# Altium PCB PCP_ANT.PCBdoc
Units mm, origin at the board's own origin, x right, y up, seen from the top; angles counter-clockwise.
Board outline 100 x 140 mm, 2 copper layers (TopLayer, BottomLayer); 72 components, 67 nets, 236 pads, 46 vias.
Unrouted connection lines stored in the file: 5.
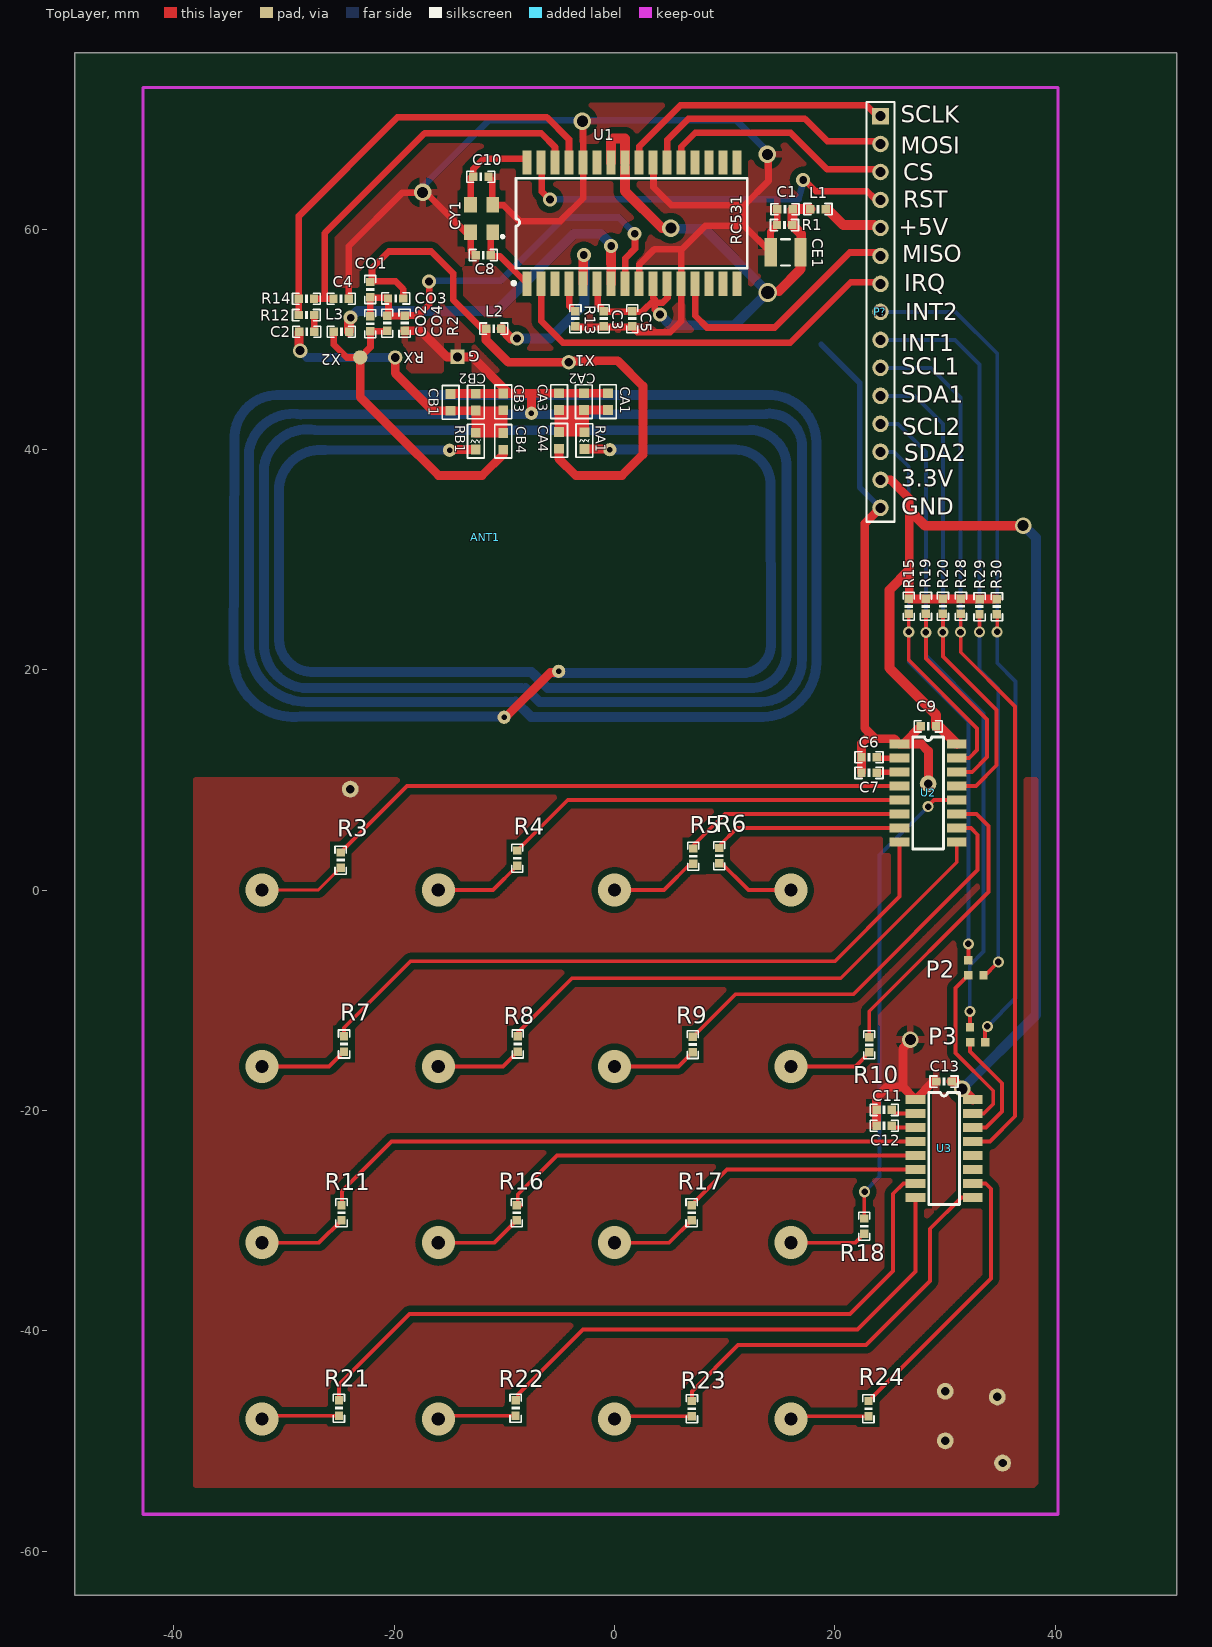
[diagram p0: TopLayer view]
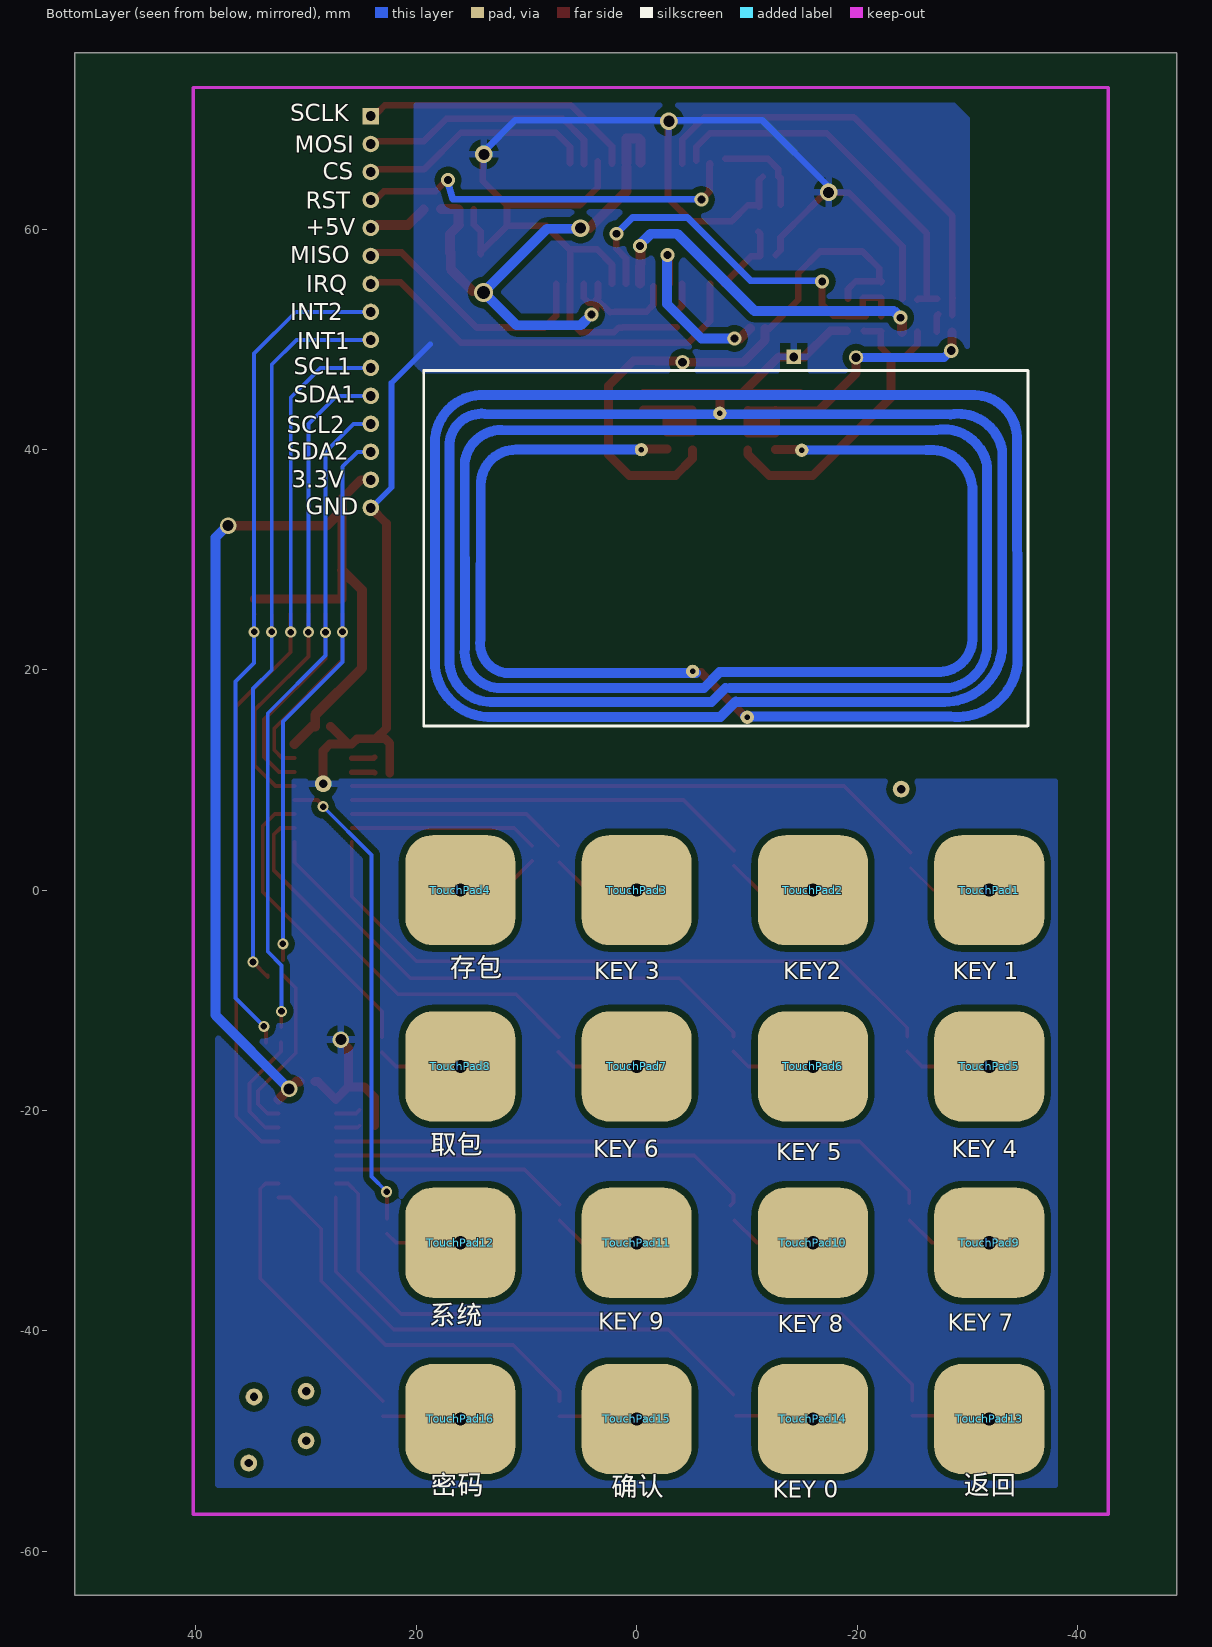
[diagram p1: BottomLayer view, seen from below]

## Layer stack, top to bottom
TopSolder: solder mask 0.0102, Solder Resist, Dk 3.5
TopLayer: signal copper 0.0356
Dielectric1: core 0.32, FR-4, Dk 4.8
BottomLayer: signal copper 0.0356
BottomSolder: solder mask 0.0102, Solder Resist, Dk 3.5

## Board outline
-49,-64 51,-64 51,76 -49,76

## Design rules (kind name [scope] priority, off if disabled: settings)
Clearance Clearance_2 [All vs InNet('DGND')] p1: gap=0.6 ignorepadtopadclearanceinfootprint=FALSE except(0: Arc-Hole Track-Hole SMDPad-Hole THPad-Hole Via-Hole Fill-Hole Poly-Hole Region-Hole Text-Hole)
Clearance Clearance_1 [All vs InNet('GND')] p2: gap=0.6 ignorepadtopadclearanceinfootprint=FALSE except(0: Arc-Hole Track-Hole SMDPad-Hole THPad-Hole Via-Hole Fill-Hole Poly-Hole Region-Hole Text-Hole)
Clearance [All] p3: gap=0.25 ignorepadtopadclearanceinfootprint=FALSE except(0: Arc-Hole Track-Hole SMDPad-Hole THPad-Hole Via-Hole Fill-Hole Poly-Hole Region-Hole Text-Hole)
FabricationTestPointUsage TestPointUsage [All] p1: valid=0 allowmultiple=FALSE
FabricationTestpoint Testpoint [All] p1: side=3 testpointundercomponent=TRUE minsize=1.016 maxsize=2.54 preferedsize=1.524 minholesize=0.508 maxholesize=1.016 preferedholesize=0.813 testpointgrid=0.025 allowsidetop=TRUE allowsidebottom=TRUE usegrid=TRUE gridtolerance=0
PolygonConnect [All] p1: connectstyle=Relief reliefconductorwidth=0.6 reliefentries=4 polygonreliefangle="90 Angle" airgapwidth=0.254
RoutingVias [All] p1: holewidth=0.711 width=1.27 viastyle="Through Hole" minholewidth=0.711 minwidth=1.27 maxholewidth=0.711 maxwidth=1.27
SilkToSolderMaskClearance SilkscreenOverComponentPads [IsPad] p1: minsilkscreentomaskgap=0.254 clearancetoexposedcopper=TRUE
SolderMaskExpansion [All] p1: expansion=0.102
Width [All] p1: maxlimit=1 minlimit=0.15 preferedwidth=0.254
27 further rules are at their usual default settings.

## Components (designator, comment, footprint, x,y, rotation, side; value= is the part's Value field where it differs from the comment)
ANT1 "RC531_ANT" RC531_ANT -7.547,47.785 r180 top
C1 "103" 0603P 15.47,61.788 r180 top
C2 "68nF" 0603P -27.948,50.673 r0 top
C3 "102" 0603P -0.991,51.867 r270 top
C4 "68nF" 0603P -24.824,53.671 r0 top
C5 "100P" 0603P 1.6,51.867 r270 top
C6 "4.7nF" 0603P 23.089,12.065 r0 top
C7 "5pF" 0603P 23.089,10.643 r0 top
C8 "15pF" 0603P -11.921,57.633 r180 top
C9 "100nF" 0603P 28.473,14.859 r0 top
C10 "15pF" 0603P -12.149,64.745 r0 top
C11 "4.7nF" 0603P 24.46,-19.939 r0 top
C12 "5pF" 0603P 24.46,-21.387 r0 top
C13 "100nF" 0603P 29.888,-17.373 r0 top
CE1 "100uF/6V" C1210 15.521,57.877 r180 top
CO1 "136P" 0603p -22.182,54.509 r270 top
CO2 "136P" 0603p -22.182,51.41 r270 top
CO3 "10P" 0603p -19.871,53.696 r180 top
CO4 "10P" 0603p -20.633,51.461 r270 top
CY1 "13.56MHZ" SMD4_32X25 -12.073,60.96 r180 top
L1 "10uH" 0603p 18.462,61.806 r180 top
L2 "1uH" 0603p -10.976,50.96 r0 top
L3 "1uH" 0603p -24.799,50.673 r0 top
P2 "Header 3" 2-1 32.461,-7.722 r180 top
P3 "Header 3" 2-1 32.614,-13.818 r180 top
P? "Header 15" HDR1X15 24.13,70.256 r270 top
R1 "10M" 0603p 15.419,60.366 r0 top
R2 "0" 0603P -19.058,51.461 r270 top
R3 "1k" 0603p -24.867,2.718 r90 top
R4 "1k" 0603p -8.839,2.896 r90 top
R5 "1k" 0603p 7.137,3.073 r90 top
R6 "1k" 0603p 9.5,3.124 r90 top
R7 "1k" 0603p -24.562,-13.97 r90 top
R8 "1k" 0603p -8.788,-13.97 r90 top
R9 "1k" 0603p 7.087,-14.021 r90 top
R10 "1k" 0603p 23.114,-14.046 r90 top
R11 "1k" 0603p -24.79,-29.286 r90 top
R12 "820" 0603p -27.974,52.197 r0 top
R13 "0" 0603p -3.564,51.867 r270 top
R14 "1K" 0603p -27.974,53.671 r180 top
R15 "10K" 0603p 26.695,25.756 r90 top
R16 "1k" 0603p -8.89,-29.286 r90 top
R17 "1k" 0603p 6.985,-29.286 r90 top
R18 "1k" 0603p 22.657,-30.505 r90 top
R19 "10K" 0603p 28.245,25.756 r90 top
R20 "10K" 0603p 29.794,25.756 r90 top
R21 "1k" 0603p -25.019,-47.015 r90 top
R22 "1k" 0603p -8.992,-47.015 r90 top
R23 "1k" 0603p 7.01,-47.066 r90 top
R24 "1k" 0603p 23.038,-47.066 r90 top
R28 "10K" 0603p 31.42,25.756 r90 top
R29 "Res2" 0603P 33.122,25.73 r270 top
R30 "Res2" 0603P 34.696,25.73 r270 top
TouchPad1 "KEY 1" TOUCHKEY -32,0 r270 top
TouchPad2 "KEY2" TOUCHKEY -16,0 r270 top
TouchPad3 "KEY 3" TOUCHKEY 0,0 r90 top
TouchPad4 "存包" TOUCHKEY 16,0 r270 top
TouchPad5 "KEY 4" TOUCHKEY -32,-16 r270 top
TouchPad6 "KEY 5" TOUCHKEY -16,-16 r270 top
TouchPad7 "KEY 6" TOUCHKEY 0,-16 r270 top
TouchPad8 "取包" TOUCHKEY 16,-16 r270 top
TouchPad9 "KEY 7" TOUCHKEY -32,-32 r90 top
TouchPad10 "KEY 8" TOUCHKEY -16,-32 r270 top
TouchPad11 "KEY 9" TOUCHKEY 0,-32 r270 top
TouchPad12 "系统" TOUCHKEY 16,-32 r270 top
TouchPad13 "返回" TOUCHKEY -32,-48 r270 top
TouchPad14 "KEY 0" TOUCHKEY -16,-48 r270 top
TouchPad15 "确认" TOUCHKEY 0,-48 r270 top
TouchPad16 "密码" TOUCHKEY 16,-48 r270 top
U1 "MFRC531" SO32 -7.954,60.536 r90 top
U2 "XW09A" SO-G16/G3.4 25.857,13.259 r0 top
U3 "XW09A" SO-G16/G3.4 27.305,-18.999 r0 top

## Footprints (in the part's own frame and the unit in brackets; to place one, negate y for a bottom-side part, rotate by r counter-clockwise, add the part's x,y. Pads: shape width x height; smd on the part's side, far side on the other; paste and mask are expansions set on the pad)
2-1 [mil]
  rect 30x30 smd: 1(-40,0) 2(13.78,0) 3(14,-54)
0603P [mil]
  rect 30x30 smd: 1(-27,0) 2(27.5,-0.06)
  silkscreen extent -50,-20 50,20
0603p [mil]
  rect 30x30 smd: 1(-27,0) 2(27.5,-0.06)
  silkscreen extent -50,-20 50,20
C1210 [mm] "Chip Capacitor, Body 3.2x2.5mm, IPC High Density"
  rect 1.1x2.6 smd: 1(-1.35,0) 2(1.35,0)
  silkscreen extent -0.4,-1.2 0.4,1.2, body extent -1.7,-1.35 1.7,1.35, height 1.3
HDR1X15 [mm] "Connector; Header; 15 Position"
  rect 1.5x1.5 hole 0.9: 1(0,0)
  round 1.5 hole 0.9: 2(2.54,0) 3(5.08,0) 4(7.62,0) 5(10.16,0) 6(12.7,0) 7(15.24,0) 8(17.78,0) 9(20.32,0) 10(22.86,0) 11(25.4,0) 12(27.94,0) 13(30.48,0) 14(33.02,0) 15(35.56,0)
  silkscreen extent -1.27,-1.27 36.83,1.27
RC531_ANT [mil]
  rect 35x35 smd: 1(-273.5,106.07) 1(-189.16,245.07) 1(-187.5,106.07) 1(-98.5,244.07) 1(-98.5,106.07) 1(100.86,247.49) 1(100.86,106.49) 1(198.86,246.98) 1(198.86,107.49) 1(288.86,108.49) 2(-273.5,166.07) 2(-189.16,305.07) 2(-187.5,166.07) 2(-98.5,304.07) 2(-98.5,166.07) 2(100.86,307.49) 2(100.86,166.49) 2(198.86,167.49) 2(198.86,306.98) 2(288.86,168.49)
  round 47.24 hole 19.68: 3(-280.14,307.49) 3(292.86,309.49) 4(-97.14,1099.54) 5(97.86,1263.54) 6(0,177.49)
  round 51.18 hole 31.5: 10(-133.24,-5) 13(487,-22)
  rect 51.18x51.18 hole 31.5: 11(264,-24)
  round 51.18 smd: 12(612,-22)
  TopLayer region: 109.83,177.49 198.83,177.49 198.83,238.49 109.83,238.49
  TopLayer region: -178.15,166.08 -109.15,166.08 -109.15,244.08 -178.15,244.08
  TopLayer lines w31.5: 612,-22 612,119.76 471.76,260 331.76,400 176.76,400 100,323.24 100,308.35 ; 487,-22 487,34.76 353.27,168.49 341.86,168.49 288.86,168.49 102.86,168.49 100.86,166.49 100.86,247.49 198.35,247.49 ; 290.35,306.98 198.86,306.98 ; 288.86,108.49 286.86,106.49 100.86,106.49 0.86,106.49 0.44,106.07 ; 264,-24 211,-24 80.51,106.49 15,106.49 ; 198.86,246.98 198.86,167.49 ; 89.6,1261.03 -67.4,1104.03 -84.14,1104.03 ; 0.44,160.68 0.44,106.07 ; 0,177.49 0,109 ; 0,161.13 -0.14,160.98 ; 0,106.51 0.44,106.07 ; -98.14,307.49 -98.14,339.9 -158.24,400 -323.24,400 -398.24,325 -398.24,80 -308.24,-10 -143.24,-10 ; -187.5,166.07 -189.16,167.73 -189.16,245.07 -188.16,244.07 -98.5,244.07 -98.5,166.07 -273.5,166.07 ; -189.16,305.07 -277.72,305.07 ; -273.5,106.07 0.44,106.07
  BottomLayer lines w10: 293.36,308.98 292.86,309.49
  BottomLayer lines w31.5: 738.28,308.98 293.36,308.98
  BottomLayer lines w35.43: 738.28,308.98 ccw(c754.28,456.98) 902.28,440.98 902.28,977.54 ccw(c783.28,982.54) 788.28,1101.54 71.86,1101.54 -0.51,1101.54 ; 89.6,1261.03 825.02,1261.03 cw(c850.02,1047.03) 1064.02,1072.03 1061.42,271.42 cw(c906.14,267.33) 910.23,112.05 -845.24,112.05 cw(c-848.09,281.9) -1017.94,279.05 -1018.24,1056.47 cw(c-819.96,1064.75) -828.24,1263.03 -30.14,1263.03 -7.14,1263.03 ; 58.86,1208.54 788.29,1208.54 cw(c801.78,1001.04) 1009.28,1014.53 1009.28,310.79 cw(c852.2,338.7) 824.28,181.62 -839.79,179.35 cw(c-850.76,294.53) -965.94,283.56 -966.24,1058.47 cw(c-817.46,1060.25) -819.24,1209.03 -29.14,1209.03 20.86,1159.03 ; 56.86,1207.03 1.86,1262.03 ; 35.86,1159.03 59.86,1159.03 790.28,1159.03 cw(c800.54,1004.28) 955.28,1014.53 955.28,366.16 cw(c800.31,392.01) 774.46,237.04 -768.52,238.02 cw(c-781.25,368.28) -911.51,355.56 -911.24,1020.1 cw(c-783.23,1031.02) -794.14,1159.03 -57.14,1159.03 ; -6.14,1108.03 -55.14,1157.03 ; -85.14,1105.03 -767.14,1105.03 ccw(c-752.16,1002.01) -855.18,987.03 -854.34,432.87 ccw(c-729.01,432.82) -729.06,307.49 -280.14,307.49
  silkscreen extent -304,76 319,337
SMD4_32X25 [mm]
  rect 1.15x1.4 smd: 1(-1,1.25) 2(-1,-1.25) 3(1,-1.25) 4(1,1.25)
  silkscreen extent -2.03,1.53 -1.78,1.78
SO32 [mm]
  rect 2.2x0.8 smd: 1(-5.5,0) 2(-5.5,-1.27) 3(-5.5,-2.54) 4(-5.5,-3.81) 5(-5.5,-5.08) 6(-5.5,-6.35) 7(-5.5,-7.62) 8(-5.5,-8.89) 9(-5.5,-10.16) 10(-5.5,-11.43) 11(-5.5,-12.7) 12(-5.5,-13.97) 13(-5.5,-15.24) 14(-5.5,-16.51) 15(-5.5,-17.78) 16(-5.5,-19.05) 17(5.5,-19.05) 18(5.5,-17.78) 19(5.5,-16.51) 20(5.5,-15.24) 21(5.5,-13.97) 22(5.5,-12.7) 23(5.5,-11.43) 24(5.5,-10.16) 25(5.5,-8.89) 26(5.5,-7.62) 27(5.5,-6.35) 28(5.5,-5.08) 29(5.5,-3.81) 30(5.5,-2.54) 31(5.5,-1.27) 32(5.5,0)
  silkscreen extent -5.6,-20 4.08,1.35
SO-G16/G3.4 [mm]
  rect 1.8x0.8 smd: 1(0,0) 2(0,-1.27) 3(0,-2.54) 4(0,-3.81) 5(0,-5.08) 6(0,-6.35) 7(0,-7.62) 8(0,-8.89) 9(5.2,-8.89) 10(5.2,-7.62) 11(5.2,-6.35) 12(5.2,-5.08) 13(5.2,-3.81) 14(5.2,-2.54) 15(5.2,-1.27) 16(5.2,0)
  silkscreen extent 1.2,-9.53 4,0.64
TOUCHKEY [mm]
  rrect50% 10x10 smd far side: 1(0,0)

## Part data
C1 C2 C3 C4 C5 CO1 CO2 CO3 CO4: library part C
C6 C7 C9 C11 C12 C13: library part Cap, "Capacitor"
C8 C10: library part CAP, "Capacitor"
CE1: library part ELECTRO1, "Electrolytic Capacitor"
CY1: library part CRYSTAL1, "Crystal"
L1 L2 L3: library part L
P2 P3: "Header, 3-Pin"
P?: "Header, 15-Pin"
R1 R2 R12 R13 R14: library part R7
R3 R4 R5 R6 R7 R8 R9 R10 R11 R15 R16 R17 R18 R19 R20 R21 R22 R23 R24 R28: library part Res2, "Resistor"
R29 R30: "Resistor"
TouchPad1 TouchPad2 TouchPad3 TouchPad4 TouchPad5 TouchPad6 TouchPad7 TouchPad8 TouchPad9 TouchPad10 TouchPad11 TouchPad12 TouchPad13 TouchPad14 TouchPad15 TouchPad16: library part TouchPad
U1: library part MFRC500

## Free pads (board coordinates)
  round 1.524 hole 0.762: 0(34.727,-46) 1(30,-49.987) 2(35.21,-52) 3(30,-45.491) 4(-24,9.17) 5(28.453,9.652)

## Via types
v1: diameter 3, hole 1.2, TopLayer to BottomLayer, 16 vias
v2: diameter 1, hole 0.6, TopLayer to BottomLayer, 12 vias
v3: diameter 1.27, hole 0.711, TopLayer to BottomLayer, 9 vias
v4: diameter 1.6, hole 1, TopLayer to BottomLayer, 4 vias
v5: diameter 1.5, hole 1, TopLayer to BottomLayer, 3 vias
v6: diameter 1.7, hole 1.2, TopLayer to BottomLayer, 1 vias
v7: diameter 1.3, hole 0.8, TopLayer to BottomLayer, 1 vias

## Nets (pads, with @x,y where several pads share a name; then routed paths per layer and width w, separated by ;. In a path a pad name is that pad's centre, name@x,y a point inside that pad or via, vN(x,y) a via of type N, cw(c..) or ccw(c..) an arc to the next point about the centre after c; other vN are vias at no path point)
3.3V: C9.2 C13.2 P?.14 R15.2 R19.2 R20.2 R28.2 R29.1 R30.1 U2.16 U3.16 | length 107.6
  TopLayer w0.8: P?.14 25.044,37.236 26.735,35.546 26.735,34.493 26.735,29.032 26.735,26.416 R29.1 R30.1
  TopLayer w0.9: 26.735,29.032 24.943,27.24 24.943,20.142 29.172,15.913 C9.2 29.459,14.857 U2.16 ; 26.735,34.493 28.158,33.071 v5(37.084,33.071) ; C13.2 30.881,-17.375 U3.16
  BottomLayer w0.9: v5(31.542,-18.036) 38.227,-11.352 38.227,32.004 v5@37.033,33.198
+5V: L1.1 P?.5 | length 4.8
  TopLayer w0.9: L1.1@19.351,61.755 20.748,60.358 P?.5@23.542,60.358
CS: P?.3 U1.21 | length 21
  TopLayer w0.6: U1.21@6.045,65.972 6.045,67.474 7.312,68.74 15.973,68.74 19.301,65.413 P?.3@23.593,65.413
DGND: ANT1.11 C1.2 C3.2 C4.2 C5.2 C6.1 C7.1 C8.2 C9.1 C10.2 C11.1 C12.1 C13.1 CE1.2 CY1.2 P?.15 pad.5 R1.1 R2.2 R13.2 U1.9 U1.12 U1.23 U1.28 U2.1 U3.1 | length 206.3
  TopLayer w0.6: C4.2 -24.125,58.436 -19.257,63.305 -17.135,63.305 -14.213,60.382 ; -14.227,60.409 -13.059,59.241 -13.059,58.074 C8.2 ; C10.2 -11.103,64.396 CY1.2@-11.103,62.009 ; CY1.2@-11.027,62.162 -10.087,62.162 -8.639,60.714 -4.931,60.714 -2.845,62.8 -2.845,70.185 v4@-2.874,70.214 ; R13.2@-3.632,51.079 1.275,51.079 1.3,51.054 1.626,51.054 2.049,50.63 5.051,50.63 6.045,51.624 U1.12@6.045,55.038 ; U1.9@2.235,55.038 2.235,56.78 3.629,58.174 6.067,58.174 ; U1.23@3.527,66.124 3.527,63.787 5.153,62.162 11.765,62.162 ; U1.12@6.042,55.126 6.042,58.098 8.226,60.282 11.765,60.282 ; v4@13.967,66.835 13.967,64.363 11.765,62.162 ; CE1.2@14.144,57.717 CE1.2@14.144,57.903 ; CE1.2 CE1.2@14.144,57.903 ; R1.1 14.144,59.777 CE1.2@14.144,57.903 ; R1.1@14.772,60.401 C1.2 ; 11.765,60.282 11.765,62.162 ; 11.765,60.282 CE1.2@14.144,57.903
  TopLayer w0.8: R2.2 -17.59,50.762 -15.223,48.395 ANT1.11 ; C7.1 C6.1 22.403,13.335 22.809,13.741 23.673,13.741 ; C12.1 C11.1 23.774,-18.821 24.74,-17.856 26.162,-17.856 ; P?.15 22.708,33.274 22.708,14.707 23.673,13.741 ; v5@26.873,-13.64 26.162,-14.351 26.162,-17.856 ; C9.1 U2.1@26.187,13.259 ; pad.5@28.479,9.703 28.479,12.618 27.838,13.259 U2.1@26.187,13.259 ; C13.1 28.931,-17.373 U3.1 26.162,-17.856 ; 23.673,13.741 25.375,13.741 U2.1 U2.1@26.187,13.259
  BottomLayer w0.508: 18.751,49.53 22.25,46.03 22.25,36.551 P?.15@24.079,34.722
  BottomLayer w0.6: v4(-17.428,63.33) -17.428,63.838 -11.383,69.883 11.02,69.883 13.865,67.039 v4(13.865,66.785)
  other v4: -2.924,69.782
  other v5: 26.848,-13.564
INT1: P?.11 R20.1 U2.13 | length 46
  TopLayer w0.35: R20.1 v2(29.794,23.419) 29.794,21.209 33.617,17.386 ; U2.13 32.791,9.449 34.671,11.328 34.671,16.332 33.617,17.386 ; 33.452,17.551 33.617,17.386
  BottomLayer w0.35: P?.11 27.254,44.856 29.794,42.316 v2(29.794,23.419)
INT2: P?.10 R28.1 U3.13 | length 82.1
  TopLayer w0.35: R28.1 31.42,21.59 36.347,16.662 36.347,-20.523 34.061,-22.809 U3.13
  BottomLayer w0.35: P?.10 28.702,47.396 31.394,44.704 v2(31.394,23.419)
IRQ: P?.7 U1.2 | length 36.7
  TopLayer w0.6: U1.2@-6.655,55.038 -6.655,51.638 -4.699,49.682 15.94,49.682 21.434,55.177 P?.7@23.593,55.177
KC1: C8.1 CY1.1 U1.1 | length 6.6
  TopLayer w0.6: CY1.1@-11.052,59.749 -11.23,59.571 -11.23,57.539 -10.426,57.539 U1.1@-7.925,55.038
KC2: C10.1 CY1.3 U1.32 | length 8.6
  TopLayer w0.6: CY1.3 -13.073,64.637 C10.1@-12.881,64.829 ; C10.1 -12.835,65.459 -11.916,66.378 U1.32@-8.03,66.378
MISO: P?.6 U1.13 | length 22.5
  TopLayer w0.6: U1.13@7.315,55.038 7.315,52.126 8.379,51.062 14.525,51.062 21.333,57.869 P?.6@23.669,57.869
MOSI: P?.2 U1.22 | length 22.6
  TopLayer w0.6: U1.22@4.775,65.896 4.775,68.083 6.702,70.01 17.269,70.01 19.301,67.978 P?.2@23.542,67.978
NC: U1.27
NetANT1_10: ANT1.10 CO1.1 CO3.1 L2.1 | length 32.1
  TopLayer w0.6: CO1.1@-22.254,55.253 CO1.1@-22.182,55.253 ; CO1.1 CO1.1@-22.182,55.253 ; CO1.1@-22.022,55.448 -22.022,56.439 -20.498,57.963 -16.637,57.963 -14.659,55.985 -14.659,53.577 L2.1@-11.967,50.884 ; CO3.1 -19.185,54.547 -19.892,55.253 CO1.1@-22.182,55.253 ; ANT1.10 -1.756,47.912
  TopLayer w0.8: L2.1 -11.662,49.914 -9.66,47.912 ANT1.10
NetANT1_12: ANT1.12 CO2.2 CO4.2 L3.1 | length 8.4
  TopLayer w0.6: L3.1 -25.484,49.513 -24.316,48.344 ANT1.12 -22.152,49.284 CO2.2@-22.152,50.711 ; CO2.2 CO2.2@-22.152,50.711 ; CO2.2@-22.152,50.732 CO2.2@-22.152,50.711 ; CO4.2@-20.628,50.757 -20.674,50.711 CO2.2@-22.152,50.711
NetANT1_13: ANT1.13 C2.1 | length 10.7
  TopLayer w0.8: C2.1 -28.634,49.056 v7(-28.544,48.966)
  BottomLayer w0.8: v7@-28.575,48.997 -27.923,48.344 ANT1.13
NetC2_2: C2.2 R12.2 | length 1.6
  TopLayer w0.6: R12.2@-27.359,52.256 -27.25,52.146 C2.2
NetC6_2: C6.2 U2.2 | length 2.1
  TopLayer w0.5: C6.2 23.862,11.989 U2.2
NetC7_2: C7.2 U2.3 | length 2.1
  TopLayer w0.5: C7.2 23.865,10.719 U2.3
NetC11_2: C11.2 U3.2 | length 2.3
  TopLayer w0.35: C11.2 25.487,-20.269 U3.2
NetC12_2: C12.2 U3.3 | length 2.2
  TopLayer w0.35: C12.2 25.309,-21.539 U3.3
NetR3_1: R3.1 TouchPad1.1 | length 8
  TopLayer w0.25: v1(-32,0) -26.899,0 R3.1
NetR3_2: R3.2 U2.4 | length 53.2
  TopLayer w0.35: R3.2 -18.832,9.449 U2.4
NetR4_1: R4.1 TouchPad2.1 | length 8.1
  TopLayer w0.35: v1(-16,0) -11.049,0 R4.1
NetR4_2: R4.2 U2.5 | length 36.6
  TopLayer w0.35: R4.2 -4.253,8.179 U2.5
NetR5_1: R5.1 TouchPad3.1 | length 8
  TopLayer w0.35: v1(0,0) 4.47,0 R5.1@6.998,2.527
NetR5_2: R5.2 U2.6 | length 19.9
  TopLayer w0.35: R5.2@7.114,4.026 9.997,6.909 U2.6
NetR6_1: R6.1 TouchPad4.1 | length 7.6
  TopLayer w0.35: R6.1@9.5,2.642 12.141,0 v1(16,0)
NetR6_2: R6.2 U2.7 | length 17
  TopLayer w0.35: R6.2@9.501,4.026 11.114,5.639 U2.7
NetR7_1: R7.1 TouchPad5.1 | length 8
  TopLayer w0.35: v1(-32,-16) -25.906,-16 R7.1
NetR7_2: R7.2 U2.8 | length 61.1
  TopLayer w0.35: R7.2 -24.56,-12.495 -18.517,-6.452 19.99,-6.452 25.857,-0.584 U2.8
NetR8_1: R8.1 TouchPad6.1 | length 7.8
  TopLayer w0.35: v1(-16,-16) -10.133,-16 R8.1
NetR8_2: R8.2 U2.9 | length 49
  TopLayer w0.35: R8.2 -8.787,-12.927 -8.014,-12.154 ; -8.406,-12.547 -8.014,-12.154 ; U2.9 31.057,2.533 20.523,-8.001 -3.861,-8.001 -8.014,-12.154
NetR9_1: R9.1 TouchPad7.1 | length 7.6
  TopLayer w0.35: v1(0,-16) 5.793,-16 R9.1
NetR9_2: R9.2 U2.10 | length 37.5
  TopLayer w0.35: R9.2 10.962,-9.449 21.666,-9.449 32.944,1.829 32.944,5.029 32.334,5.639 U2.10
NetR10_1: R10.1 TouchPad8.1 | length 7.6
  TopLayer w0.35: v1(16,-16) 21.846,-16 R10.1
NetR10_2: R10.2 U2.11 | length 27
  TopLayer w0.35: R10.2 23.116,-10.997 33.934,-0.178 33.934,5.817 32.842,6.909 U2.11
NetR11_1: R11.1 TouchPad9.1 | length 8
  TopLayer w0.35: v1(-32,-32) -26.818,-32 R11.1
NetR11_2: R11.2 U3.4 | length 55
  TopLayer w0.35: R11.2@-24.74,-28.397 -24.74,-27.305 -20.244,-22.809 U3.4
NetR13_1: R13.1 U1.4 | length 2.7
  TopLayer w0.6: U1.4@-4.115,55.038 -4.115,53.01 R13.1@-3.645,52.54
NetR16_1: R16.1 TouchPad10.1 | length 8
  TopLayer w0.35: v1(-16,-32) -10.918,-32 R16.1
NetR16_2: R16.2 U3.5 | length 38.7
  TopLayer w0.35: R16.2@-8.509,-28.626 -8.788,-28.346 -8.788,-27.635 -5.232,-24.079 U3.5
NetR17_1: R17.1 TouchPad11.1 | length 7.8
  TopLayer w0.35: v1(0,-32) 4.957,-32 R17.1
NetR17_2: R17.2 U3.6 | length 21.6
  TopLayer w0.35: R17.2@7.01,-28.561 7.01,-28.524 10.185,-25.349 U3.6
NetR18_1: R18.1 TouchPad12.1 | length 7
  TopLayer w0.35: v1(16,-32) 21.848,-32 R18.1
NetR18_2: R18.2 U2.12 | length 42.6
  TopLayer w0.35: R18.2 22.658,-27.405 v2(22.687,-27.377) ; v2@28.448,7.645 28.981,8.179 U2.12
  BottomLayer w0.35: v2@22.657,-27.407 v2(22.687,-27.377) 24.054,-26.01 24.054,3.175 v2(28.448,7.569)
NetR21_1: R21.1 TouchPad13.1 | length 7.1
  TopLayer w0.35: v1(-32,-48) -31.701,-47.701 R21.1
NetR21_2: R21.2 U3.7 | length 65.4
  TopLayer w0.35: R21.2 -25.017,-44.88 -18.618,-38.481 21.361,-38.481 25.273,-34.569 25.273,-27.559 26.213,-26.619 U3.7
NetR22_1: R22.1 TouchPad14.1 | length 7.1
  TopLayer w0.35: v1(-16,-48) -15.701,-47.701 R22.1
NetR22_2: R22.2 U3.8 | length 47.4
  TopLayer w0.35: -8.763,-45.771 -2.87,-39.878 22.047,-39.878 27.305,-34.62 U3.8
NetR23_1: R23.1 TouchPad15.1 | length 7.1
  TopLayer w0.35: v1(0,-48) 0.248,-47.752 R23.1
NetR23_2: R23.2 U3.9 | length 36.4
  TopLayer w0.35: R23.2 7.012,-45.49 11.201,-41.3 22.809,-41.3 28.626,-35.484 28.626,-30.734 31.471,-27.889 U3.9
NetR24_1: R24.1 TouchPad16.1 | length 7.1
  TopLayer w0.35: v1(16,-48) 16.248,-47.752 R24.1
NetR24_2: R24.2 U3.10 | length 25.7
  TopLayer w0.35: R24.2 34.163,-35.244 34.163,-27.102 33.68,-26.619 U3.10
RST: P?.4 U1.31 | length 35.1
  TopLayer w0.6: U1.31@-6.655,65.816 U1.31@-6.655,65.946 ; U1.31@-6.607,65.946 -6.607,63.406 v3(-5.871,62.67) ; v3@17.218,64.473 18.259,63.432 22.933,63.432 P?.4@23.542,62.822
  BottomLayer w0.6: v3@-5.845,62.695 16.684,62.695 17.174,64.432 v3@17.192,64.499
  other v3: 17.116,64.448
RX_IN: R12.1 R14.2 U1.29 | length 40.3
  TopLayer w0.6: R14.2@-28.705,53.704 R14.2@-28.659,53.658 ; R12.1 R14.2@-28.659,53.658 ; U1.29@-4.144,65.946 U1.29 -4.144,68.131 -6.15,70.137 -19.714,70.137 -28.659,61.192 R14.2@-28.659,53.658
SCL: P3.2 U3.14 | length 10.7
  TopLayer w0.35: P3.2 32.264,-14.636 35.154,-17.526 35.154,-20.091 33.706,-21.539 U3.14
SCL1: P3.3 P?.12 R19.1 U2.14 | length 78.5
  TopLayer w0.35: R19.1 v2(28.245,23.393) 28.245,21.031 33.807,15.469 33.807,12.065 32.461,10.719 U2.14 ; P3.3 v2@32.258,-11.151
  BottomLayer w0.35: P?.12 25.705,42.316 28.245,39.776 v2(28.245,23.393) 28.245,21.285 33.477,16.053 33.477,-5.588 32.233,-6.833 v2(32.233,-10.998)
SCL2: P3.1 P?.8 R30.2 | length 78.2
  TopLayer w0.35: P3.1 33.63,-12.573 v2(33.833,-12.37) ; R30.2 34.722,25.005 v2(34.722,23.444) v2@34.722,23.393
  BottomLayer w0.35: P?.8 30.937,52.476 34.722,48.692 v2(34.722,23.444) 34.722,20.625 36.398,18.948 36.398,-9.804 v2(33.833,-12.37)
SCLK: P?.1 U1.24 | length 24.7
  TopLayer w0.6: U1.24@2.235,65.946 2.235,67.499 5.966,71.23 22.857,71.23 P?.1@23.517,70.569
SDA: P2.2 U3.15 | length 15.8
  TopLayer w0.35: P2.2 30.937,-8.896 30.937,-14.783 34.366,-18.212 34.366,-19.406 33.503,-20.269 U3.15
SDA1: P2.3 P?.13 R15.1 U2.15 | length 67.2
  TopLayer w0.35: R15.1 v2(26.695,23.444) 26.695,20.879 32.893,14.681 32.893,12.7 32.182,11.989 U2.15 ; P2.3 v2(32.106,-4.877)
  BottomLayer w0.35: P?.13 25.349,39.776 26.695,38.43 v2(26.695,23.444) 26.695,20.701 32.106,15.291 v2(32.106,-4.877)
SDA2: P2.1 P?.9 R29.2 | length 68.6
  TopLayer w0.35: v2@33.12,23.417 v2(33.12,23.444) R29.2 ; P2.1 33.477,-7.874 v2(34.823,-6.528) v2@34.849,-6.502
  BottomLayer w0.35: P?.9 30.886,49.936 33.12,47.703 v2(33.12,23.444) 33.12,19.991 34.823,18.288 v2(34.823,-6.528)
TVSS: CO1.2 CO2.1 CO3.2 CO4.1 R2.1 U1.8 | length 38.4
  TopLayer w0.6: CO2.1 -22.182,53.734 -22.203,53.754 -20.552,53.754 -20.527,53.729 -20.527,52.357 -20.781,52.103 -19.053,52.103 R2.1@-19.01,52.147 ; R2.1 R2.1@-19.01,52.147 ; R2.1@-18.952,52.205 R2.1@-19.01,52.147 ; v3@-16.818,55.27 -16.818,53.17 -17.842,52.147 R2.1@-19.01,52.147 ; U1.8@0.965,55.038 0.965,57.339 1.851,58.225 v3@1.851,59.673
  BottomLayer w0.6: v3@-16.818,55.321 -10.324,55.321 -4.601,61.044 0.378,61.044 1.825,59.596 v3(1.825,59.571)
  other v3: -16.84,55.245
TX1: L2.2 U1.5 | length 16.2
  TopLayer w0.9: L2.2 -9.39,50.071 v3@-8.919,50.071 ; U1.5@-2.845,55.038 v3@-2.845,57.637
  BottomLayer w0.9: v3(-8.868,50.071) -5.871,50.071 -2.747,53.196 v3@-2.747,57.615
  other v3: -2.797,57.641
TX2: L3.2 U1.7 | length 32.1
  TopLayer w0.9: L3.2 -24.1,51.552 v3@-23.829,51.824 ; v3@-0.334,58.428 U1.7@-0.305,55.038
  BottomLayer w0.9: v3(-23.956,51.951) -23.329,52.578 -10.679,52.578 -3.686,59.571 -1.273,59.571 v3@-0.105,58.403
  other v3: -0.308,58.453
U5V: C1.1 C3.1 C5.1 CE1.1 L1.2 R1.2 U1.6 U1.10 U1.11 U1.25 U1.26 | length 58.2
  TopLayer w0.6: U1.6@-1.527,54.821 -1.527,53.145 -0.923,52.54 -0.923,52.476 C5.1@1.93,52.476 ; C5.1@1.575,52.476 2.452,52.455 3.654,53.602 3.654,52.688 ; 3.505,53.751 U1.10@3.505,55.036 ; 3.934,53.323 4.365,53.323 4.797,53.754 U1.11@4.797,55.036
  TopLayer w0.9: U1.26@-0.334,66.023 U1.26 -0.334,68.055 -0.156,68.232 0.911,68.232 0.936,68.207 U1.25 ; U1.25@0.936,65.591 0.936,63.432 4.289,60.079 v4(5.102,60.079) ; 14.906,54.389 16.871,56.354 CE1.1 ; R1.2 16.938,59.544 CE1.1@16.938,57.844 ; C1.1 16.156,60.43 R1.2@16.227,60.358 ; C1.1@16.303,61.73 16.381,61.808 L1.2
  BottomLayer w0.9: v3(4.111,52.23) 5.077,51.265 10.893,51.265 v6@13.789,54.161 ; v4@5.102,60.028 8.15,60.028 v6@13.789,54.389
  other v6: 13.89,54.237
VMID0: C4.1 R14.1 U1.30 | length 34.2
  TopLayer w0.6: R14.1 -26.314,53.671 ; C4.1@-25.48,53.577 -25.574,53.671 -26.314,53.671 ; U1.30@-5.414,66.2 -5.414,67.445 -6.658,68.69 -17.25,68.69 -26.314,59.625 -26.314,53.671
pads on no net: ANT1.1 ANT1.2 ANT1.3 ANT1.4 ANT1.5 ANT1.6 CY1.4 U1.3 U1.14 U1.15 U1.16 U1.17 U1.18 U1.19 U1.20 U3.11 U3.12

## Polygon pours and split planes (outlines as drawn)
DGND on TopLayer "Top Layer-No Net" (hatched 90Degree grid 0.025 track 0.508, remove dead copper, pour order 1001): -32,47.151 19.332,47.151 20,47.819 20,71.23 -30.77,71.23 -32,70
no net on TopLayer "Top Layer-No Net" (hatched 90Degree grid 0.025 track 0.508, remove dead copper, pour order 1000): -38,10 38.227,10 38.227,-53.773 38,-54 -38,-54
DGND on BottomLayer "Top Layer-No Net" (hatched 90Degree grid 0.025 track 0.508, remove dead copper, pour order 1003): -30,70 -30,47.151 19.332,47.151 20,47.819 20,71.23 -28.77,71.23 -30,70
DGND on BottomLayer "Top Layer-No Net" (hatched 90Degree grid 0.025 track 0.508, remove dead copper, pour order 1002): -38,9.881 38.108,9.881 38.227,10 38,9.773 38,-54 -38,-54

## Keep-outs
KeepOutLayer:
  lines w0.3: -42.799,-56.642 -42.799,72.847 40.234,72.847 40.234,-56.642 -42.799,-56.642

## Silkscreen, mask and mechanical layers (free items; w line width, h text height)
TopOverlay:
  text "SCLK" at 25.959,69.647 h1.52
  text "MOSI" at 25.959,66.853 h1.52
  text "CS" at 26.187,64.389 h1.52
  text "RST" at 26.187,61.925 h1.52
  text "+5V" at 25.781,59.436 h1.52
  text "MISO" at 26.111,56.972 h1.52
  text "IRQ" at 26.289,54.356 h1.52
  text "INT2" at 26.365,51.714 h1.52
  text "INT1" at 26.035,48.92 h1.52
  text "SCL1" at 26.035,46.787 h1.52
  text "SDA1" at 26.035,44.247 h1.52
  text "SCL2" at 26.111,41.3 h1.52
  text "SDA2" at 26.289,38.913 h1.52
  text "3.3V" at 26.035,36.601 h1.52
  text "GND" at 26.035,34.061 h1.52
BottomOverlay:
  text "SCLK" at 31.445,69.799 h1.52
  text "MOSI" at 31.039,66.929 h1.52
  text "CS" at 28.499,64.465 h1.52
  text "RST" at 30.048,61.824 h1.52
  text "+5V" at 30.048,59.436 h1.52
  text "MISO" at 31.445,56.896 h1.52
  text "IRQ" at 29.972,54.28 h1.52
  text "INT2" at 31.445,51.714 h1.52
  text "INT1" at 30.81,49.098 h1.52
  text "SCL1" at 31.115,46.787 h1.52
  text "SDA1" at 31.115,44.247 h1.52
  text "SCL2" at 31.775,41.453 h1.52
  text "SDA2" at 31.775,39.065 h1.52
  text "3.3V" at 31.293,36.525 h1.52
  text "GND" at 30.048,34.061 h1.52

## Text inside footprints (layer, text, board x,y; h text height)
ANT1: TopOverlay "RX" at -17.275,48.801 h1 r180; TopOverlay "X2" at -24.794,48.649 h1 r180; TopOverlay "G" at -12.246,48.954 h1 r180; TopOverlay "X1" at -1.75,48.547 h1 r180; TopOverlay "CB2" at -11.633,46.859 h0.9 r180; TopOverlay "CA2" at -1.727,46.859 h0.9 r180; TopOverlay "CB1" at -16.865,45.563 h0.9 r270; TopOverlay "RB1" at -14.452,42.185 h0.9 r270; TopOverlay "CB4" at -8.941,42.083 h0.9 r270; TopOverlay "CB3" at -9.118,45.868 h0.9 r270; TopOverlay "CA3" at -6.985,45.893 h0.9 r270; TopOverlay "CA4" at -6.934,42.185 h0.9 r270; TopOverlay "RA1" at -1.727,42.21 h0.9 r270; TopOverlay "CA1" at 0.534,45.665 h0.9 r270
U1: TopOverlay "RC531" at 11.528,58.555 h1 r90